# Altium PCB STB_LightBoard.PcbDoc (part 23 of 31)
Units mm, origin at the board's own origin, x right, y up, seen from the top; angles counter-clockwise.
Board outline 348 x 348 mm, 2 copper layers (Top Layer, Bottom Layer), stack 1.672 mm thick; 3807 components, 3391 nets, 11616 pads, 2553 vias.
Unrouted connection lines stored in the file: 68.
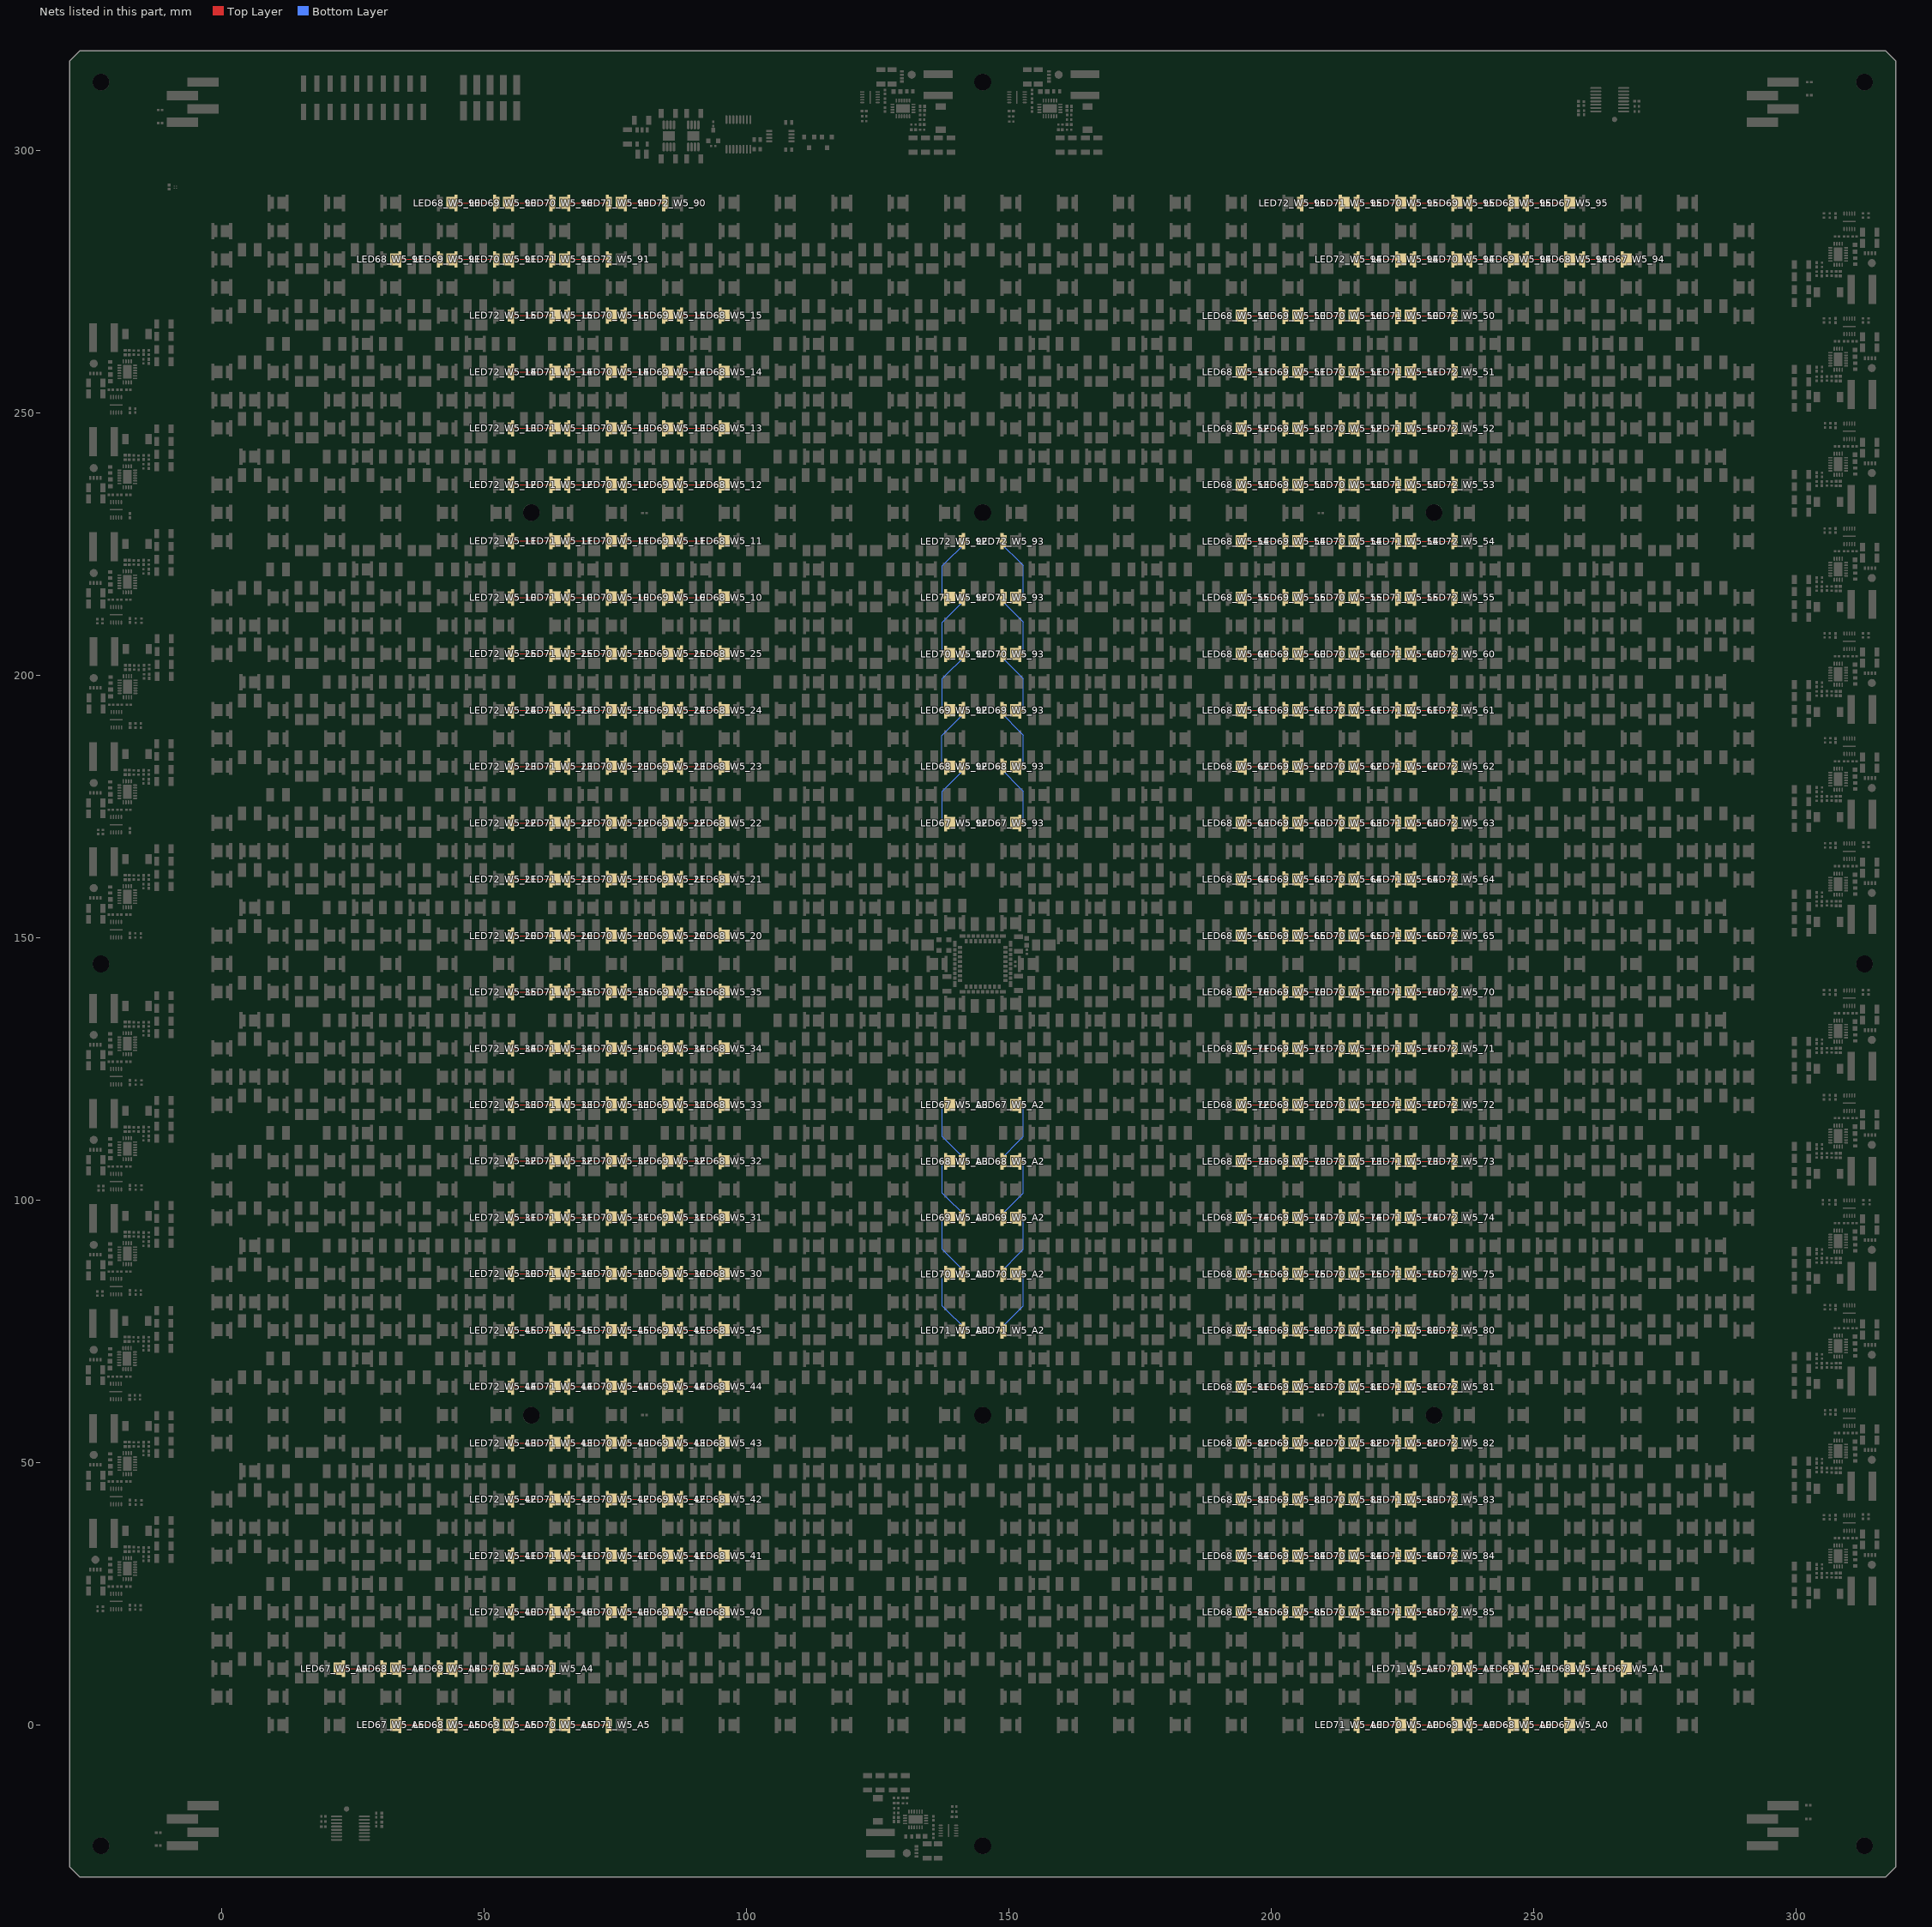
[diagram p23: the nets of this part, all layers, seen from the top]

## Via types
v1: diameter 0.604, hole 0.3, Top Layer to Bottom Layer, tented both sides, 2553 vias

## Nets (pads, with @x,y where several pads share a name; then routed paths per layer and width w, separated by ;. In a path a pad name is that pad's centre, name@x,y a point inside that pad or via, vN(x,y) a via of type N, cw(c..) or ccw(c..) an arc to the next point about the centre after c; other vN are vias at no path point) (continued)
NetLED67_W5_92_1: LED67_W5_92.1 LED68_W5_92.2 | length 15.1
  Top Layer w0.2: v1(137.319,171.84) LED67_W5_92.1@137.933,171.84 LED67_W5_92.1@138.523,171.84 ; LED68_W5_92.2@140.743,182.58 LED68_W5_92.2@141.333,182.58 v1(141.98,182.58)
  Bottom Layer w0.2: v1(137.319,171.84) 137.319,177.919 v1(141.98,182.58)
NetLED67_W5_93_1: LED67_W5_93.1 LED68_W5_93.2 | length 15.6
  Top Layer w0.2: v1(148.06,182.58) LED68_W5_93.2@148.674,182.58 LED68_W5_93.2@149.264,182.58 ; LED67_W5_93.1@151.009,171.84 LED67_W5_93.1@152.074,171.84 v1(152.76,171.84)
  Bottom Layer w0.2: v1(148.06,182.58) 152.76,177.88 v1(152.76,171.84)
NetLED67_W5_94_1: LED67_W5_94.1 LED68_W5_94.2 | length 7.9
  Top Layer w0.2: LED68_W5_94.2@259.484,279.24 LED67_W5_94.1@266.825,279.24 LED67_W5_94.1@267.415,279.24
NetLED67_W5_95_1: LED67_W5_95.1 LED68_W5_95.2 | length 9
  Top Layer w0.2: LED68_W5_95.2@248.128,289.98 249.193,289.98 256.534,289.98 LED67_W5_95.1@257.124,289.98
NetLED67_W5_A0_1: LED67_W5_A0.1 LED68_W5_A0.2 | length 18
  Top Layer w0.2: LED68_W5_A0.2@248.128,0 249.193,0 LED67_W5_A0.1@256.534,0 ; LED68_W5_A0.2@248.743,0 LED67_W5_A0.1@256.084,0 LED67_W5_A0.1@257.149,0 LED67_W5_A0.1@256.534,0 ; LED67_W5_A0.1@257.124,0 LED67_W5_A0.1@256.534,0
NetLED67_W5_A1_1: LED67_W5_A1.1 LED68_W5_A1.2 | length 9
  Top Layer w0.2: LED68_W5_A1.2@258.869,10.74 259.934,10.74 267.275,10.74 LED67_W5_A1.1@267.865,10.74
NetLED67_W5_A2_1: LED67_W5_A2.1 LED68_W5_A2.2 | length 15.6
  Top Layer w0.2: v1(148.06,107.4) LED68_W5_A2.2@148.674,107.4 LED68_W5_A2.2@149.264,107.4 ; LED67_W5_A2.1@151.009,118.14 LED67_W5_A2.1@152.074,118.14 v1(152.76,118.14)
  Bottom Layer w0.2: v1(148.06,107.4) 152.76,112.1 v1(152.76,118.14)
NetLED67_W5_A3_1: LED67_W5_A3.1 LED68_W5_A3.2 | length 15.2
  Top Layer w0.2: v1(137.319,118.14) LED67_W5_A3.1@137.933,118.14 LED67_W5_A3.1@138.523,118.14 ; LED68_W5_A3.2@140.743,107.4 LED68_W5_A3.2@141.333,107.4 v1(142.019,107.4)
  Bottom Layer w0.2: v1(137.319,118.14) 137.319,112.1 v1(142.019,107.4)
NetLED67_W5_A4_1: LED67_W5_A4.1 LED68_W5_A4.2 | length 9
  Top Layer w0.2: LED67_W5_A4.1@22.142,10.74 22.732,10.74 30.073,10.74 LED68_W5_A4.2@31.138,10.74
NetLED67_W5_A5_1: LED67_W5_A5.1 LED68_W5_A5.2 | length 8.4
  Top Layer w0.2: LED67_W5_A5.1@32.858,0 LED67_W5_A5.1@33.923,0 LED68_W5_A5.2@41.264,0
NetLED68_W5_10_1: LED68_W5_10.1 LED69_W5_10.2 | length 8.4
  Top Layer w0.2: LED69_W5_10.2@87.628,214.825 LED68_W5_10.1@94.969,214.825 LED68_W5_10.1@96.034,214.825
NetLED68_W5_11_1: LED68_W5_11.1 LED69_W5_11.2 | length 8.4
  Top Layer w0.2: LED69_W5_11.2@87.628,225.565 LED68_W5_11.1@94.969,225.565 LED68_W5_11.1@96.034,225.565
NetLED68_W5_12_1: LED68_W5_12.1 LED69_W5_12.2 | length 8.4
  Top Layer w0.2: LED69_W5_12.2@87.628,236.305 LED68_W5_12.1@94.969,236.305 LED68_W5_12.1@96.034,236.305
NetLED68_W5_13_1: LED68_W5_13.1 LED69_W5_13.2 | length 8.4
  Top Layer w0.2: LED69_W5_13.2@87.628,247.045 LED68_W5_13.1@94.969,247.045 LED68_W5_13.1@96.034,247.045
NetLED68_W5_14_1: LED68_W5_14.1 LED69_W5_14.2 | length 8.4
  Top Layer w0.2: LED69_W5_14.2@87.628,257.785 LED68_W5_14.1@94.969,257.785 LED68_W5_14.1@96.034,257.785
NetLED68_W5_15_1: LED68_W5_15.1 LED69_W5_15.2 | length 8.4
  Top Layer w0.2: LED69_W5_15.2@87.628,268.525 LED68_W5_15.1@94.969,268.525 LED68_W5_15.1@96.034,268.525
NetLED68_W5_20_1: LED68_W5_20.1 LED69_W5_20.2 | length 8.4
  Top Layer w0.2: LED69_W5_20.2@87.628,150.385 LED68_W5_20.1@94.969,150.385 LED68_W5_20.1@96.034,150.385
NetLED68_W5_21_1: LED68_W5_21.1 LED69_W5_21.2 | length 8.4
  Top Layer w0.2: LED69_W5_21.2@87.628,161.125 LED68_W5_21.1@94.969,161.125 LED68_W5_21.1@96.034,161.125
NetLED68_W5_22_1: LED68_W5_22.1 LED69_W5_22.2 | length 8.4
  Top Layer w0.2: LED69_W5_22.2@87.628,171.865 LED68_W5_22.1@94.969,171.865 LED68_W5_22.1@96.034,171.865
NetLED68_W5_23_1: LED68_W5_23.1 LED69_W5_23.2 | length 8.4
  Top Layer w0.2: LED69_W5_23.2@87.628,182.605 LED68_W5_23.1@94.969,182.605 LED68_W5_23.1@96.034,182.605
NetLED68_W5_24_1: LED68_W5_24.1 LED69_W5_24.2 | length 8.4
  Top Layer w0.2: LED69_W5_24.2@87.628,193.345 LED68_W5_24.1@94.969,193.345 LED68_W5_24.1@96.034,193.345
NetLED68_W5_25_1: LED68_W5_25.1 LED69_W5_25.2 | length 8.4
  Top Layer w0.2: LED69_W5_25.2@87.628,204.085 LED68_W5_25.1@94.969,204.085 LED68_W5_25.1@96.034,204.085
NetLED68_W5_30_1: LED68_W5_30.1 LED69_W5_30.2 | length 8.4
  Top Layer w0.2: LED69_W5_30.2@87.628,85.945 LED68_W5_30.1@94.969,85.945 LED68_W5_30.1@96.034,85.945
NetLED68_W5_31_1: LED68_W5_31.1 LED69_W5_31.2 | length 8.4
  Top Layer w0.2: LED69_W5_31.2@87.628,96.685 LED68_W5_31.1@94.969,96.685 LED68_W5_31.1@96.034,96.685
NetLED68_W5_32_1: LED68_W5_32.1 LED69_W5_32.2 | length 8.4
  Top Layer w0.2: LED69_W5_32.2@87.628,107.425 LED68_W5_32.1@94.969,107.425 LED68_W5_32.1@96.034,107.425
NetLED68_W5_33_1: LED68_W5_33.1 LED69_W5_33.2 | length 8.4
  Top Layer w0.2: LED69_W5_33.2@87.628,118.165 LED68_W5_33.1@94.969,118.165 LED68_W5_33.1@96.034,118.165
NetLED68_W5_34_1: LED68_W5_34.1 LED69_W5_34.2 | length 8.4
  Top Layer w0.2: LED69_W5_34.2@87.628,128.905 LED68_W5_34.1@94.969,128.905 LED68_W5_34.1@96.034,128.905
NetLED68_W5_35_1: LED68_W5_35.1 LED69_W5_35.2 | length 8.4
  Top Layer w0.2: LED69_W5_35.2@87.628,139.645 LED68_W5_35.1@94.969,139.645 LED68_W5_35.1@96.034,139.645
NetLED68_W5_40_1: LED68_W5_40.1 LED69_W5_40.2 | length 8.4
  Top Layer w0.2: LED69_W5_40.2@87.628,21.505 LED68_W5_40.1@94.969,21.505 LED68_W5_40.1@96.034,21.505
NetLED68_W5_41_1: LED68_W5_41.1 LED69_W5_41.2 | length 8.4
  Top Layer w0.2: LED69_W5_41.2@87.628,32.245 LED68_W5_41.1@94.969,32.245 LED68_W5_41.1@96.034,32.245
NetLED68_W5_42_1: LED68_W5_42.1 LED69_W5_42.2 | length 8.4
  Top Layer w0.2: LED69_W5_42.2@87.628,42.985 LED68_W5_42.1@94.969,42.985 LED68_W5_42.1@96.034,42.985
NetLED68_W5_43_1: LED68_W5_43.1 LED69_W5_43.2 | length 8.4
  Top Layer w0.2: LED69_W5_43.2@87.628,53.725 LED68_W5_43.1@94.969,53.725 LED68_W5_43.1@96.034,53.725
NetLED68_W5_44_1: LED68_W5_44.1 LED69_W5_44.2 | length 8.4
  Top Layer w0.2: LED69_W5_44.2@87.628,64.465 LED68_W5_44.1@94.969,64.465 LED68_W5_44.1@96.034,64.465
NetLED68_W5_45_1: LED68_W5_45.1 LED69_W5_45.2 | length 8.4
  Top Layer w0.2: LED69_W5_45.2@87.628,75.205 LED68_W5_45.1@94.969,75.205 LED68_W5_45.1@96.034,75.205
NetLED68_W5_50_1: LED68_W5_50.1 LED69_W5_50.2 | length 9
  Top Layer w0.2: LED68_W5_50.1@193.973,268.5 LED68_W5_50.1@195.038,268.5 LED69_W5_50.2@202.379,268.5 LED69_W5_50.2@202.969,268.5
NetLED68_W5_51_1: LED68_W5_51.1 LED69_W5_51.2 | length 9
  Top Layer w0.2: LED68_W5_51.1@193.973,257.76 LED68_W5_51.1@195.038,257.76 LED69_W5_51.2@202.379,257.76 LED69_W5_51.2@202.969,257.76
NetLED68_W5_52_1: LED68_W5_52.1 LED69_W5_52.2 | length 9
  Top Layer w0.2: LED68_W5_52.1@193.973,247.02 LED68_W5_52.1@195.038,247.02 LED69_W5_52.2@202.379,247.02 LED69_W5_52.2@202.969,247.02
NetLED68_W5_53_1: LED68_W5_53.1 LED69_W5_53.2 | length 9
  Top Layer w0.2: LED68_W5_53.1@193.973,236.28 LED68_W5_53.1@195.038,236.28 LED69_W5_53.2@202.379,236.28 LED69_W5_53.2@202.969,236.28
NetLED68_W5_54_1: LED68_W5_54.1 LED69_W5_54.2 | length 9
  Top Layer w0.2: LED68_W5_54.1@193.973,225.54 LED68_W5_54.1@195.038,225.54 LED69_W5_54.2@202.379,225.54 LED69_W5_54.2@202.969,225.54
NetLED68_W5_55_1: LED68_W5_55.1 LED69_W5_55.2 | length 9
  Top Layer w0.2: LED68_W5_55.1@193.973,214.8 LED68_W5_55.1@195.038,214.8 LED69_W5_55.2@202.379,214.8 LED69_W5_55.2@202.969,214.8
NetLED68_W5_60_1: LED68_W5_60.1 LED69_W5_60.2 | length 9
  Top Layer w0.2: LED68_W5_60.1@193.973,204.06 LED68_W5_60.1@195.038,204.06 LED69_W5_60.2@202.379,204.06 LED69_W5_60.2@202.969,204.06
NetLED68_W5_61_1: LED68_W5_61.1 LED69_W5_61.2 | length 9
  Top Layer w0.2: LED68_W5_61.1@193.973,193.32 LED68_W5_61.1@195.038,193.32 LED69_W5_61.2@202.379,193.32 LED69_W5_61.2@202.969,193.32
NetLED68_W5_62_1: LED68_W5_62.1 LED69_W5_62.2 | length 9
  Top Layer w0.2: LED68_W5_62.1@193.973,182.58 LED68_W5_62.1@195.038,182.58 LED69_W5_62.2@202.379,182.58 LED69_W5_62.2@202.969,182.58
NetLED68_W5_63_1: LED68_W5_63.1 LED69_W5_63.2 | length 9
  Top Layer w0.2: LED68_W5_63.1@193.973,171.84 LED68_W5_63.1@195.038,171.84 LED69_W5_63.2@202.379,171.84 LED69_W5_63.2@202.969,171.84
NetLED68_W5_64_1: LED68_W5_64.1 LED69_W5_64.2 | length 9
  Top Layer w0.2: LED68_W5_64.1@193.973,161.1 LED68_W5_64.1@195.038,161.1 LED69_W5_64.2@202.379,161.1 LED69_W5_64.2@202.969,161.1
NetLED68_W5_65_1: LED68_W5_65.1 LED69_W5_65.2 | length 9
  Top Layer w0.2: LED68_W5_65.1@193.973,150.36 LED68_W5_65.1@195.038,150.36 LED69_W5_65.2@202.379,150.36 LED69_W5_65.2@202.969,150.36
NetLED68_W5_70_1: LED68_W5_70.1 LED69_W5_70.2 | length 9
  Top Layer w0.2: LED68_W5_70.1@193.973,139.62 LED68_W5_70.1@195.038,139.62 LED69_W5_70.2@202.379,139.62 LED69_W5_70.2@202.969,139.62
NetLED68_W5_71_1: LED68_W5_71.1 LED69_W5_71.2 | length 9
  Top Layer w0.2: LED68_W5_71.1@193.973,128.88 LED68_W5_71.1@195.038,128.88 LED69_W5_71.2@202.379,128.88 LED69_W5_71.2@202.969,128.88
NetLED68_W5_72_1: LED68_W5_72.1 LED69_W5_72.2 | length 9
  Top Layer w0.2: LED68_W5_72.1@193.973,118.14 LED68_W5_72.1@195.038,118.14 LED69_W5_72.2@202.379,118.14 LED69_W5_72.2@202.969,118.14
NetLED68_W5_73_1: LED68_W5_73.1 LED69_W5_73.2 | length 9
  Top Layer w0.2: LED68_W5_73.1@193.973,107.4 LED68_W5_73.1@195.038,107.4 LED69_W5_73.2@202.379,107.4 LED69_W5_73.2@202.969,107.4
NetLED68_W5_74_1: LED68_W5_74.1 LED69_W5_74.2 | length 9
  Top Layer w0.2: LED68_W5_74.1@193.973,96.66 LED68_W5_74.1@195.038,96.66 LED69_W5_74.2@202.379,96.66 LED69_W5_74.2@202.969,96.66
NetLED68_W5_75_1: LED68_W5_75.1 LED69_W5_75.2 | length 9
  Top Layer w0.2: LED68_W5_75.1@193.973,85.92 LED68_W5_75.1@195.038,85.92 LED69_W5_75.2@202.379,85.92 LED69_W5_75.2@202.969,85.92
NetLED68_W5_80_1: LED68_W5_80.1 LED69_W5_80.2 | length 9
  Top Layer w0.2: LED68_W5_80.1@193.973,75.18 LED68_W5_80.1@195.038,75.18 LED69_W5_80.2@202.379,75.18 LED69_W5_80.2@202.969,75.18
NetLED68_W5_81_1: LED68_W5_81.1 LED69_W5_81.2 | length 9
  Top Layer w0.2: LED68_W5_81.1@193.973,64.44 LED68_W5_81.1@195.038,64.44 LED69_W5_81.2@202.379,64.44 LED69_W5_81.2@202.969,64.44
NetLED68_W5_82_1: LED68_W5_82.1 LED69_W5_82.2 | length 9
  Top Layer w0.2: LED68_W5_82.1@193.973,53.7 LED68_W5_82.1@195.038,53.7 LED69_W5_82.2@202.379,53.7 LED69_W5_82.2@202.969,53.7
NetLED68_W5_83_1: LED68_W5_83.1 LED69_W5_83.2 | length 9
  Top Layer w0.2: LED68_W5_83.1@193.973,42.96 LED68_W5_83.1@195.038,42.96 LED69_W5_83.2@202.379,42.96 LED69_W5_83.2@202.969,42.96
NetLED68_W5_84_1: LED68_W5_84.1 LED69_W5_84.2 | length 9
  Top Layer w0.2: LED68_W5_84.1@193.973,32.22 LED68_W5_84.1@195.038,32.22 LED69_W5_84.2@202.379,32.22 LED69_W5_84.2@202.969,32.22
NetLED68_W5_85_1: LED68_W5_85.1 LED69_W5_85.2 | length 9
  Top Layer w0.2: LED68_W5_85.1@193.973,21.48 LED68_W5_85.1@195.038,21.48 LED69_W5_85.2@202.379,21.48 LED69_W5_85.2@202.969,21.48
NetLED68_W5_90_1: LED68_W5_90.1 LED69_W5_90.2 | length 9
  Top Layer w0.2: LED68_W5_90.1@43.624,289.98 44.214,289.98 51.555,289.98 LED69_W5_90.2@52.62,289.98
NetLED68_W5_91_1: LED68_W5_91.1 LED69_W5_91.2 | length 9
  Top Layer w0.2: LED68_W5_91.1@32.858,279.24 LED68_W5_91.1@33.923,279.24 LED69_W5_91.2@41.264,279.24 LED69_W5_91.2@41.854,279.24
NetLED68_W5_92_1: LED68_W5_92.1 LED69_W5_92.2 | length 15.8
  Top Layer w0.2: v1(137.22,182.58) LED68_W5_92.1@137.933,182.58 LED68_W5_92.1@138.998,182.58 ; LED69_W5_92.2@140.743,193.32 LED69_W5_92.2@141.333,193.32 v1(142.019,193.32)
  Bottom Layer w0.2: v1(137.22,182.58) 137.22,188.521 v1(142.019,193.32)
NetLED68_W5_93_1: LED68_W5_93.1 LED69_W5_93.2 | length 15.6
  Top Layer w0.2: v1(148.06,193.32) LED69_W5_93.2@148.674,193.32 LED69_W5_93.2@149.264,193.32 ; LED68_W5_93.1@151.009,182.58 LED68_W5_93.1@152.074,182.58 v1(152.76,182.58)
  Bottom Layer w0.2: v1(148.06,193.32) 152.76,188.62 v1(152.76,182.58)
NetLED68_W5_94_1: LED68_W5_94.1 LED69_W5_94.2 | length 7.9
  Top Layer w0.2: LED69_W5_94.2@248.743,279.24 LED68_W5_94.1@256.084,279.24 LED68_W5_94.1@256.674,279.24
NetLED68_W5_95_1: LED68_W5_95.1 LED69_W5_95.2 | length 9
  Top Layer w0.2: LED69_W5_95.2@237.387,289.98 238.452,289.98 245.793,289.98 LED68_W5_95.1@246.383,289.98
NetLED68_W5_A0_1: LED68_W5_A0.1 LED69_W5_A0.2 | length 18.6
  Top Layer w0.2: LED69_W5_A0.2@237.387,0 238.452,0 LED68_W5_A0.1@245.793,0 ; LED69_W5_A0.2@237.412,0 LED69_W5_A0.2@238.002,0 LED68_W5_A0.1@245.343,0 LED68_W5_A0.1@246.408,0 LED68_W5_A0.1@245.793,0 ; LED68_W5_A0.1@246.383,0 LED68_W5_A0.1@245.793,0
NetLED68_W5_A1_1: LED68_W5_A1.1 LED69_W5_A1.2 | length 9
  Top Layer w0.2: LED69_W5_A1.2@248.128,10.74 249.193,10.74 256.534,10.74 LED68_W5_A1.1@257.124,10.74
NetLED68_W5_A2_1: LED68_W5_A2.1 LED69_W5_A2.2 | length 15.6
  Top Layer w0.2: v1(148.06,96.66) LED69_W5_A2.2@148.674,96.66 LED69_W5_A2.2@149.264,96.66 ; LED68_W5_A2.1@151.009,107.4 LED68_W5_A2.1@152.074,107.4 v1(152.76,107.4)
  Bottom Layer w0.2: v1(148.06,96.66) 152.76,101.36 v1(152.76,107.4)
NetLED68_W5_A3_1: LED68_W5_A3.1 LED69_W5_A3.2 | length 15.2
  Top Layer w0.2: v1(137.319,107.4) LED68_W5_A3.1@137.933,107.4 LED68_W5_A3.1@138.523,107.4 ; LED69_W5_A3.2@140.743,96.66 LED69_W5_A3.2@141.333,96.66 v1(142.019,96.66)
  Bottom Layer w0.2: v1(137.319,107.4) 137.319,101.36 v1(142.019,96.66)
NetLED68_W5_A4_1: LED68_W5_A4.1 LED69_W5_A4.2 | length 9
  Top Layer w0.2: LED68_W5_A4.1@32.883,10.74 33.473,10.74 40.814,10.74 LED69_W5_A4.2@41.879,10.74
NetLED68_W5_A5_1: LED68_W5_A5.1 LED69_W5_A5.2 | length 9
  Top Layer w0.2: LED68_W5_A5.1@43.599,0 LED68_W5_A5.1@44.664,0 LED69_W5_A5.2@52.005,0 LED69_W5_A5.2@52.595,0
NetLED69_W5_10_1: LED69_W5_10.1 LED70_W5_10.2 | length 8.4
  Top Layer w0.2: LED70_W5_10.2@76.887,214.825 LED69_W5_10.1@84.228,214.825 LED69_W5_10.1@85.293,214.825
NetLED69_W5_11_1: LED69_W5_11.1 LED70_W5_11.2 | length 8.4
  Top Layer w0.2: LED70_W5_11.2@76.887,225.565 LED69_W5_11.1@84.228,225.565 LED69_W5_11.1@85.293,225.565
NetLED69_W5_12_1: LED69_W5_12.1 LED70_W5_12.2 | length 8.4
  Top Layer w0.2: LED70_W5_12.2@76.887,236.305 LED69_W5_12.1@84.228,236.305 LED69_W5_12.1@85.293,236.305
NetLED69_W5_13_1: LED69_W5_13.1 LED70_W5_13.2 | length 8.4
  Top Layer w0.2: LED70_W5_13.2@76.887,247.045 LED69_W5_13.1@84.228,247.045 LED69_W5_13.1@85.293,247.045
NetLED69_W5_14_1: LED69_W5_14.1 LED70_W5_14.2 | length 8.4
  Top Layer w0.2: LED70_W5_14.2@76.887,257.785 LED69_W5_14.1@84.228,257.785 LED69_W5_14.1@85.293,257.785
NetLED69_W5_15_1: LED69_W5_15.1 LED70_W5_15.2 | length 8.4
  Top Layer w0.2: LED70_W5_15.2@76.887,268.525 LED69_W5_15.1@84.228,268.525 LED69_W5_15.1@85.293,268.525
NetLED69_W5_20_1: LED69_W5_20.1 LED70_W5_20.2 | length 8.4
  Top Layer w0.2: LED70_W5_20.2@76.887,150.385 LED69_W5_20.1@84.228,150.385 LED69_W5_20.1@85.293,150.385
NetLED69_W5_21_1: LED69_W5_21.1 LED70_W5_21.2 | length 8.4
  Top Layer w0.2: LED70_W5_21.2@76.887,161.125 LED69_W5_21.1@84.228,161.125 LED69_W5_21.1@85.293,161.125
NetLED69_W5_22_1: LED69_W5_22.1 LED70_W5_22.2 | length 8.4
  Top Layer w0.2: LED70_W5_22.2@76.887,171.865 LED69_W5_22.1@84.228,171.865 LED69_W5_22.1@85.293,171.865
NetLED69_W5_23_1: LED69_W5_23.1 LED70_W5_23.2 | length 8.4
  Top Layer w0.2: LED70_W5_23.2@76.887,182.605 LED69_W5_23.1@84.228,182.605 LED69_W5_23.1@85.293,182.605
NetLED69_W5_24_1: LED69_W5_24.1 LED70_W5_24.2 | length 8.4
  Top Layer w0.2: LED70_W5_24.2@76.887,193.345 LED69_W5_24.1@84.228,193.345 LED69_W5_24.1@85.293,193.345
NetLED69_W5_25_1: LED69_W5_25.1 LED70_W5_25.2 | length 8.4
  Top Layer w0.2: LED70_W5_25.2@76.887,204.085 LED69_W5_25.1@84.228,204.085 LED69_W5_25.1@85.293,204.085
NetLED69_W5_30_1: LED69_W5_30.1 LED70_W5_30.2 | length 8.4
  Top Layer w0.2: LED70_W5_30.2@76.887,85.945 LED69_W5_30.1@84.228,85.945 LED69_W5_30.1@85.293,85.945
NetLED69_W5_31_1: LED69_W5_31.1 LED70_W5_31.2 | length 8.4
  Top Layer w0.2: LED70_W5_31.2@76.887,96.685 LED69_W5_31.1@84.228,96.685 LED69_W5_31.1@85.293,96.685
NetLED69_W5_32_1: LED69_W5_32.1 LED70_W5_32.2 | length 8.4
  Top Layer w0.2: LED70_W5_32.2@76.887,107.425 LED69_W5_32.1@84.228,107.425 LED69_W5_32.1@85.293,107.425
NetLED69_W5_33_1: LED69_W5_33.1 LED70_W5_33.2 | length 8.4
  Top Layer w0.2: LED70_W5_33.2@76.887,118.165 LED69_W5_33.1@84.228,118.165 LED69_W5_33.1@85.293,118.165
NetLED69_W5_34_1: LED69_W5_34.1 LED70_W5_34.2 | length 8.4
  Top Layer w0.2: LED70_W5_34.2@76.887,128.905 LED69_W5_34.1@84.228,128.905 LED69_W5_34.1@85.293,128.905
NetLED69_W5_35_1: LED69_W5_35.1 LED70_W5_35.2 | length 8.4
  Top Layer w0.2: LED70_W5_35.2@76.887,139.645 LED69_W5_35.1@84.228,139.645 LED69_W5_35.1@85.293,139.645
NetLED69_W5_40_1: LED69_W5_40.1 LED70_W5_40.2 | length 8.4
  Top Layer w0.2: LED70_W5_40.2@76.887,21.505 LED69_W5_40.1@84.228,21.505 LED69_W5_40.1@85.293,21.505
NetLED69_W5_41_1: LED69_W5_41.1 LED70_W5_41.2 | length 8.4
  Top Layer w0.2: LED70_W5_41.2@76.887,32.245 LED69_W5_41.1@84.228,32.245 LED69_W5_41.1@85.293,32.245
NetLED69_W5_42_1: LED69_W5_42.1 LED70_W5_42.2 | length 8.4
  Top Layer w0.2: LED70_W5_42.2@76.887,42.985 LED69_W5_42.1@84.228,42.985 LED69_W5_42.1@85.293,42.985
NetLED69_W5_43_1: LED69_W5_43.1 LED70_W5_43.2 | length 8.4
  Top Layer w0.2: LED70_W5_43.2@76.887,53.725 LED69_W5_43.1@84.228,53.725 LED69_W5_43.1@85.293,53.725
NetLED69_W5_44_1: LED69_W5_44.1 LED70_W5_44.2 | length 8.4
  Top Layer w0.2: LED70_W5_44.2@76.887,64.465 LED69_W5_44.1@84.228,64.465 LED69_W5_44.1@85.293,64.465
NetLED69_W5_45_1: LED69_W5_45.1 LED70_W5_45.2 | length 8.4
  Top Layer w0.2: LED70_W5_45.2@76.887,75.205 LED69_W5_45.1@84.228,75.205 LED69_W5_45.1@85.293,75.205
NetLED69_W5_50_1: LED69_W5_50.1 LED70_W5_50.2 | length 9
  Top Layer w0.2: LED69_W5_50.1@204.714,268.5 LED69_W5_50.1@205.779,268.5 LED70_W5_50.2@213.12,268.5 LED70_W5_50.2@213.71,268.5
NetLED69_W5_51_1: LED69_W5_51.1 LED70_W5_51.2 | length 9
  Top Layer w0.2: LED69_W5_51.1@204.714,257.76 LED69_W5_51.1@205.779,257.76 LED70_W5_51.2@213.12,257.76 LED70_W5_51.2@213.71,257.76
NetLED69_W5_52_1: LED69_W5_52.1 LED70_W5_52.2 | length 9
  Top Layer w0.2: LED69_W5_52.1@204.714,247.02 LED69_W5_52.1@205.779,247.02 LED70_W5_52.2@213.12,247.02 LED70_W5_52.2@213.71,247.02
NetLED69_W5_53_1: LED69_W5_53.1 LED70_W5_53.2 | length 9
  Top Layer w0.2: LED69_W5_53.1@204.714,236.28 LED69_W5_53.1@205.779,236.28 LED70_W5_53.2@213.12,236.28 LED70_W5_53.2@213.71,236.28
NetLED69_W5_54_1: LED69_W5_54.1 LED70_W5_54.2 | length 9
  Top Layer w0.2: LED69_W5_54.1@204.714,225.54 LED69_W5_54.1@205.779,225.54 LED70_W5_54.2@213.12,225.54 LED70_W5_54.2@213.71,225.54
NetLED69_W5_55_1: LED69_W5_55.1 LED70_W5_55.2 | length 9
  Top Layer w0.2: LED69_W5_55.1@204.714,214.8 LED69_W5_55.1@205.779,214.8 LED70_W5_55.2@213.12,214.8 LED70_W5_55.2@213.71,214.8
NetLED69_W5_60_1: LED69_W5_60.1 LED70_W5_60.2 | length 9
  Top Layer w0.2: LED69_W5_60.1@204.714,204.06 LED69_W5_60.1@205.779,204.06 LED70_W5_60.2@213.12,204.06 LED70_W5_60.2@213.71,204.06
NetLED69_W5_61_1: LED69_W5_61.1 LED70_W5_61.2 | length 9
  Top Layer w0.2: LED69_W5_61.1@204.714,193.32 LED69_W5_61.1@205.779,193.32 LED70_W5_61.2@213.12,193.32 LED70_W5_61.2@213.71,193.32
NetLED69_W5_62_1: LED69_W5_62.1 LED70_W5_62.2 | length 9
  Top Layer w0.2: LED69_W5_62.1@204.714,182.58 LED69_W5_62.1@205.779,182.58 LED70_W5_62.2@213.12,182.58 LED70_W5_62.2@213.71,182.58
NetLED69_W5_63_1: LED69_W5_63.1 LED70_W5_63.2 | length 9
  Top Layer w0.2: LED69_W5_63.1@204.714,171.84 LED69_W5_63.1@205.779,171.84 LED70_W5_63.2@213.12,171.84 LED70_W5_63.2@213.71,171.84
NetLED69_W5_64_1: LED69_W5_64.1 LED70_W5_64.2 | length 9
  Top Layer w0.2: LED69_W5_64.1@204.714,161.1 LED69_W5_64.1@205.779,161.1 LED70_W5_64.2@213.12,161.1 LED70_W5_64.2@213.71,161.1
NetLED69_W5_65_1: LED69_W5_65.1 LED70_W5_65.2 | length 9
  Top Layer w0.2: LED69_W5_65.1@204.714,150.36 LED69_W5_65.1@205.779,150.36 LED70_W5_65.2@213.12,150.36 LED70_W5_65.2@213.71,150.36
NetLED69_W5_70_1: LED69_W5_70.1 LED70_W5_70.2 | length 9
  Top Layer w0.2: LED69_W5_70.1@204.714,139.62 LED69_W5_70.1@205.779,139.62 LED70_W5_70.2@213.12,139.62 LED70_W5_70.2@213.71,139.62
NetLED69_W5_71_1: LED69_W5_71.1 LED70_W5_71.2 | length 9
  Top Layer w0.2: LED69_W5_71.1@204.714,128.88 LED69_W5_71.1@205.779,128.88 LED70_W5_71.2@213.12,128.88 LED70_W5_71.2@213.71,128.88
NetLED69_W5_72_1: LED69_W5_72.1 LED70_W5_72.2 | length 9
  Top Layer w0.2: LED69_W5_72.1@204.714,118.14 LED69_W5_72.1@205.779,118.14 LED70_W5_72.2@213.12,118.14 LED70_W5_72.2@213.71,118.14
NetLED69_W5_73_1: LED69_W5_73.1 LED70_W5_73.2 | length 9
  Top Layer w0.2: LED69_W5_73.1@204.714,107.4 LED69_W5_73.1@205.779,107.4 LED70_W5_73.2@213.12,107.4 LED70_W5_73.2@213.71,107.4
NetLED69_W5_74_1: LED69_W5_74.1 LED70_W5_74.2 | length 9
  Top Layer w0.2: LED69_W5_74.1@204.714,96.66 LED69_W5_74.1@205.779,96.66 LED70_W5_74.2@213.12,96.66 LED70_W5_74.2@213.71,96.66